# KiCad board scsi_switcher.kicad_pcb
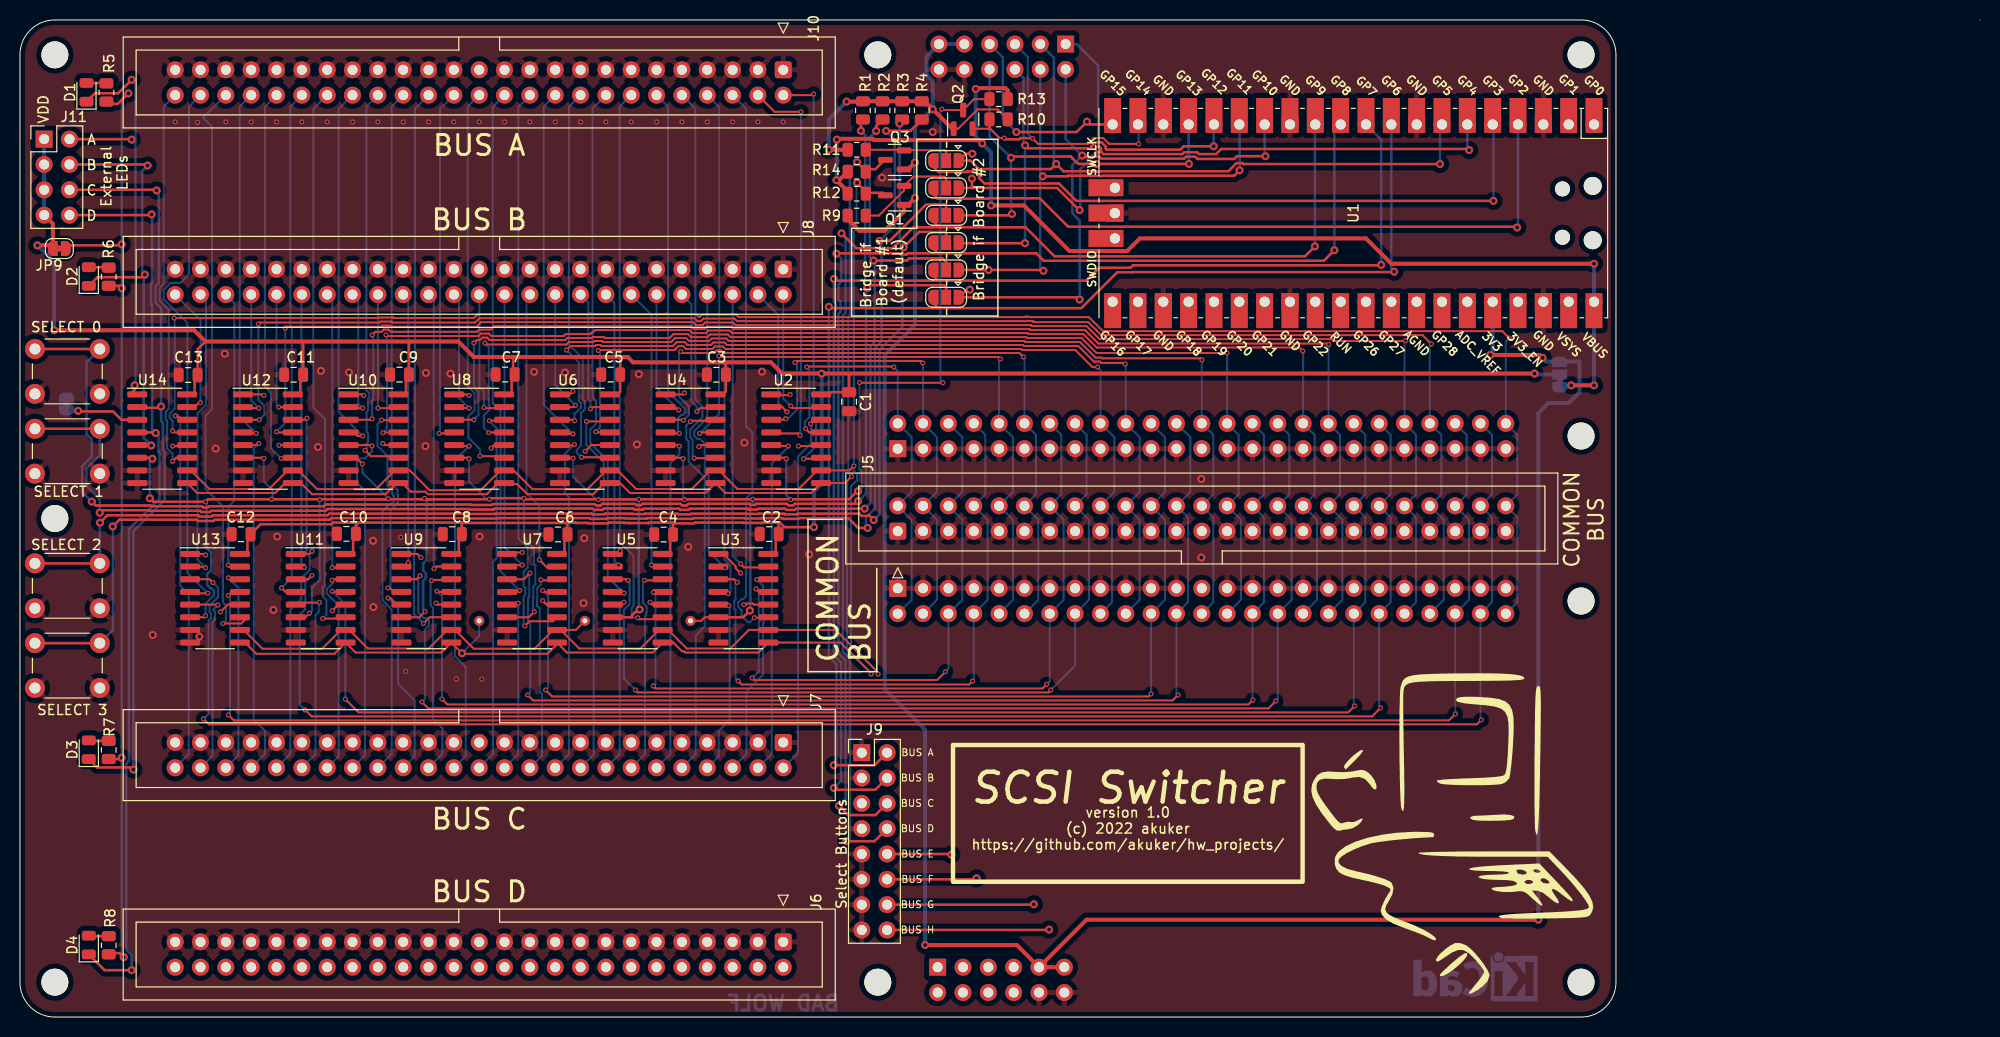
[diagram p0: board, top side]
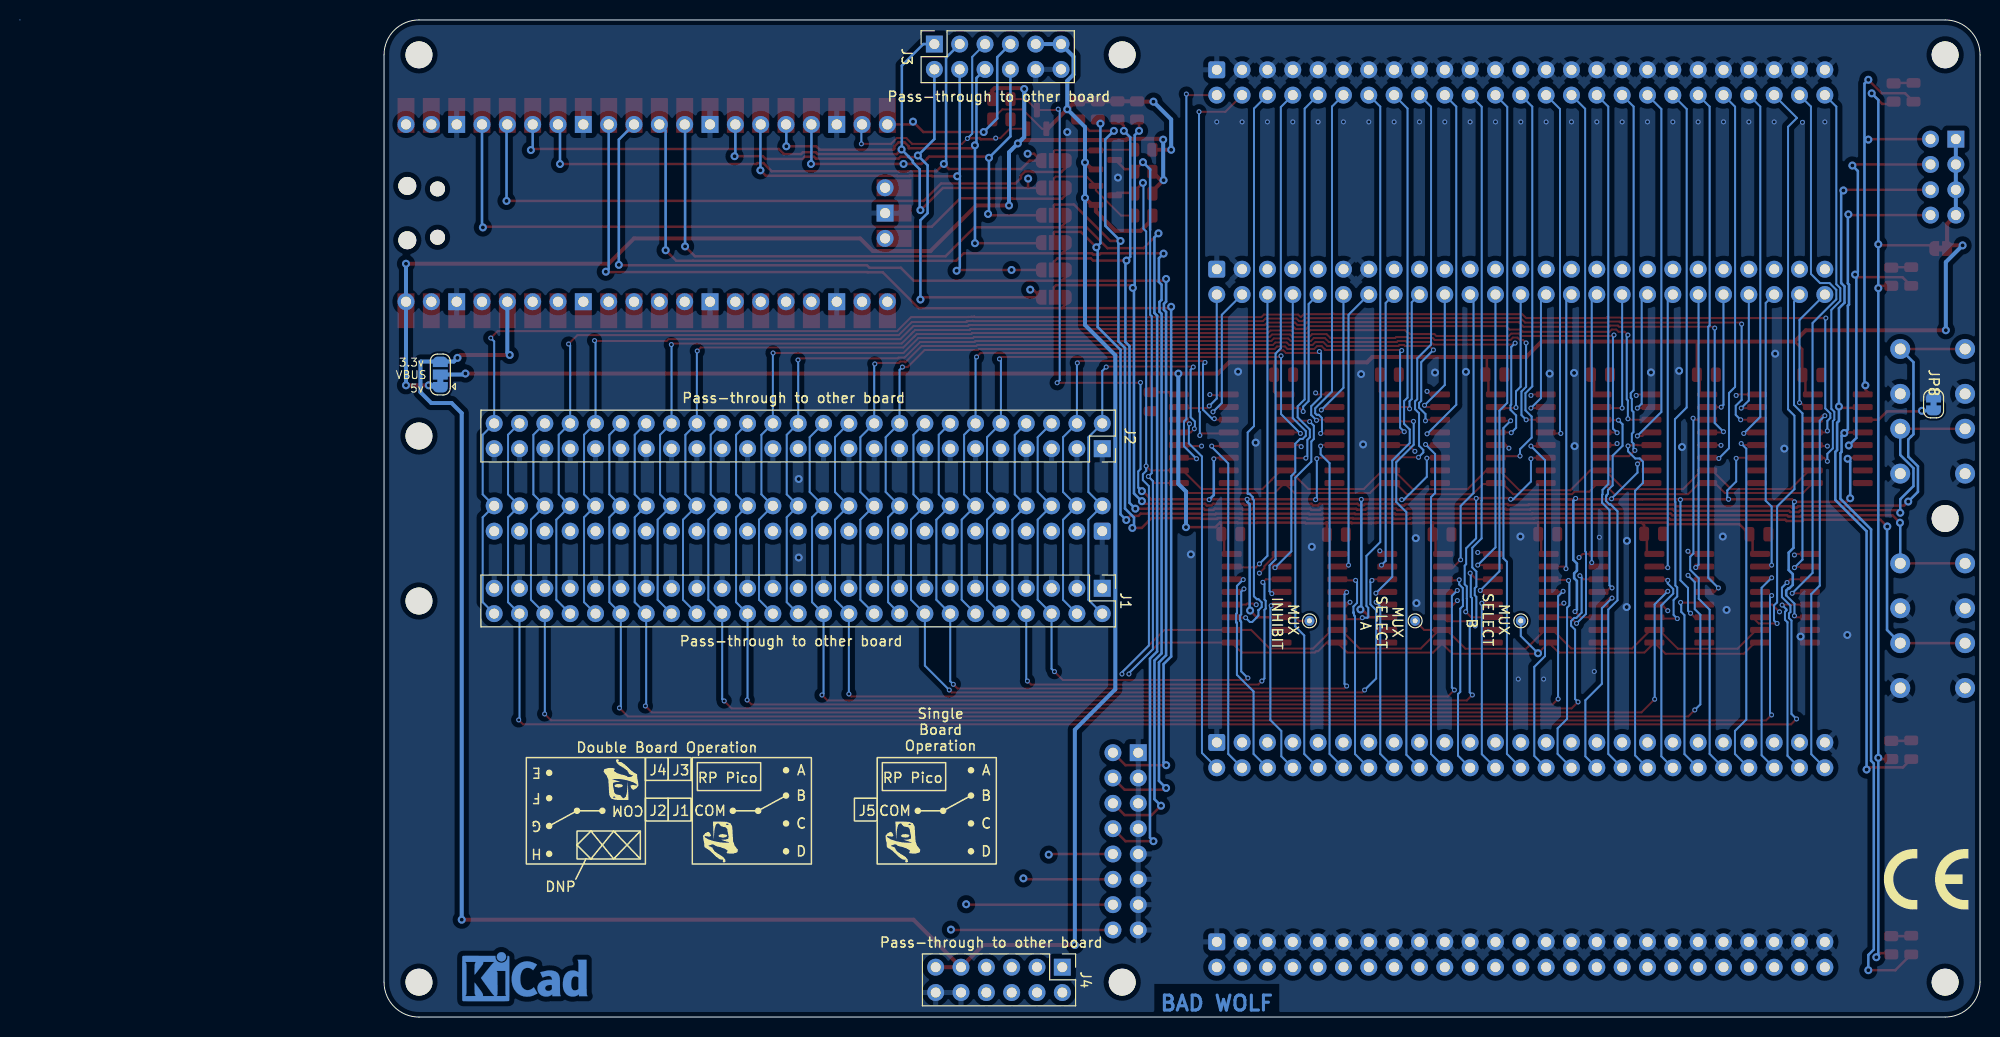
[diagram p1: board, bottom side, seen from below]

Outline 196.5 x 100 mm; copper layers: Top, In1.Cu, In2.Cu, Bottom. Coordinates in mm from the lower left corner of the outline.
Outline path: 0,96.5 arc(1.03,98.97) 3.5,100 156.5,100 arc(158.97,98.97) 160,96.5 160,3.5 arc(158.97,1.03) 156.5,0 3.5,0 arc(1.03,1.03) 0,3.5 0,96.5
Stack: Top 0.035mm / dielectric 1.51mm FR4 er 4.5 / In1.Cu 0.035mm / dielectric 1.51mm FR4 er 4.5 / In2.Cu 0.035mm / dielectric 1.51mm FR4 er 4.5 / Bottom 0.035mm

## Placement (name value [footprint] x y rotation side)
C1  100nF  [C_0805_2012Metric]  83.12 61.71 270 top
C2  100nF  [C_0805_2012Metric]  75.11 48.44 180 top
C3  100nF  [C_0805_2012Metric]  69.82 64.42 180 top
C4  100nF  [C_0805_2012Metric]  64.53 48.39 180 top
C5  100nF  [C_0805_2012Metric]  59.22 64.43 180 top
C6  100nF  [C_0805_2012Metric]  53.94 48.4 180 top
C7  100nF  [C_0805_2012Metric]  48.64 64.44 180 top
C8  100nF  [C_0805_2012Metric]  43.34 48.43 180 top
C9  100nF  [C_0805_2012Metric]  38.05 64.43 180 top
C10  100nF  [C_0805_2012Metric]  32.73 48.46 180 top
C11  100nF  [C_0805_2012Metric]  27.44 64.42 180 top
C12  100nF  [C_0805_2012Metric]  22.17 48.42 180 top
C13  100nF  [C_0805_2012Metric]  16.86 64.39 180 top
D1  Green  [LED_0805_2012Metric]  6.67 92.74 90 top
D2  Green  [LED_0805_2012Metric]  6.9 74.27 90 top
D3  Green  [LED_0805_2012Metric]  6.9 26.81 90 top
D4  Green  [LED_0805_2012Metric]  6.9 7.22 90 top
G***  LOGO  [macintosh_picasso]  143.58 18.4 0 top
G***#2  LOGO  [macintosh_picasso_tiny]  126.3 17.64 180 bottom
G***#3  LOGO  [macintosh_picasso_tiny]  136.21 23.73 0 bottom
G***#4  LOGO  [macintosh_picasso_tiny]  108.02 17.64 180 bottom
H1  MountingHole  [MountingHole_2.7mm_M2.5]  3.5 96.5 0 top
H2  MountingHole  [MountingHole_2.7mm_M2.5]  156.5 58.27 0 top
H3  CE Logo  [CE-Logo_8.5x6mm_SilkScreen]  5.4 13.83 180 bottom
H4  MountingHole  [MountingHole_2.7mm_M2.5]  86 96.5 0 top
H5  MountingHole  [MountingHole_2.7mm_M2.5]  3.5 3.5 0 top
H6  Kicad Logo  [KiCad-Logo_5mm_Copper]  145.89 3.53 180 bottom
H7  MountingHole  [MountingHole_2.7mm_M2.5]  156.5 96.5 0 top
H8  MountingHole  [MountingHole_2.7mm_M2.5]  86 3.5 0 top
H9  MountingHole  [MountingHole_2.7mm_M2.5]  3.5 50 0 top
H10  MountingHole  [MountingHole_2.7mm_M2.5]  156.5 3.5 0 top
H11  MountingHole  [MountingHole_2.7mm_M2.5]  156.5 41.72 0 top
J1  Conn_02x25_Counter_Clockwise  [PinHeader_2x25_P2.54mm_Vertical]  88 43 270 bottom
J2  Conn_02x25_Counter_Clockwise  [PinSocket_2x25_P2.54mm_Vertical]  88 57 270 bottom
J3  Conn_02x06_Odd_Even  [PinSocket_2x06_P2.54mm_Vertical]  104.83 97.58 90 bottom
J4  Conn_02x06_Odd_Even  [PinHeader_2x06_P2.54mm_Vertical]  92 5 270 bottom
J5  Conn_02x25_Counter_Clockwise  [IDC-Header_2x25_P2.54mm_Vertical]  88 48.73 90 top
J6  Conn_02x25_Counter_Clockwise  [IDC-Header_2x25_P2.54mm_Vertical]  76.52 7.54 270 top
J7  Conn_02x25_Counter_Clockwise  [IDC-Header_2x25_P2.54mm_Vertical]  76.52 27.54 270 top
J8  Conn_02x25_Counter_Clockwise  [IDC-Header_2x25_P2.54mm_Vertical]  76.52 75 270 top
J9  Conn_02x08_Odd_Even  [PinHeader_2x08_P2.54mm_Vertical]  84.39 26.51 0 top
J10  Conn_02x25_Counter_Clockwise  [IDC-Header_2x25_P2.54mm_Vertical]  76.52 95 270 top
J11  Conn_02x04_Odd_Even  [PinHeader_2x04_P2.54mm_Vertical]  2.43 88.05 0 top
JP1  SolderJumper_3_Open  [SolderJumper-3_P1.3mm_Bridged12_RoundedPad1.0x1.5mm]  154.36 64.44 90 bottom
JP2  SolderJumper_3_Open  [SolderJumper-3_P1.3mm_Open_RoundedPad1.0x1.5mm]  92.85 72.19 180 top
JP3  SolderJumper_3_Open  [SolderJumper-3_P1.3mm_Open_RoundedPad1.0x1.5mm]  92.85 74.93 180 top
JP4  SolderJumper_3_Open  [SolderJumper-3_P1.3mm_Open_RoundedPad1.0x1.5mm]  92.85 77.67 180 top
JP5  SolderJumper_3_Open  [SolderJumper-3_P1.3mm_Open_RoundedPad1.0x1.5mm]  92.85 80.41 180 top
JP6  SolderJumper_3_Open  [SolderJumper-3_P1.3mm_Open_RoundedPad1.0x1.5mm]  92.85 83.15 180 top
JP7  SolderJumper_3_Open  [SolderJumper-3_P1.3mm_Open_RoundedPad1.0x1.5mm]  92.85 85.89 180 top
JP8  SolderJumper_2_Bridged  [SolderJumper-2_P1.3mm_Bridged_RoundedPad1.0x1.5mm]  4.66 61.49 90 bottom
JP9  SolderJumper_2_Bridged  [SolderJumper-2_P1.3mm_Bridged_RoundedPad1.0x1.5mm]  3.95 77.07 180 top
Q1  BSS138  [SOT-23]  87.7 82.41 180 top
Q2  BSS138  [SOT-23]  94.55 90.03 90 top
Q3  BSS138  [SOT-23]  87.7 85.96 180 top
R1  10k  [R_0805_2012Metric]  84.51 90.93 270 top
R2  10k  [R_0805_2012Metric]  86.48 90.93 270 top
R3  10k  [R_0805_2012Metric]  88.44 90.93 270 top
R4  10k  [R_0805_2012Metric]  90.41 90.93 270 top
R5  10k  [R_0805_2012Metric]  8.67 92.72 90 top
R6  10k  [R_0805_2012Metric]  8.9 74.25 90 top
R7  10k  [R_0805_2012Metric]  8.9 26.79 90 top
R8  10k  [R_0805_2012Metric]  8.9 7.2 90 top
R9  10k  [R_0805_2012Metric]  83.89 80.38 0 top
R10  10k  [R_0805_2012Metric]  98.11 90.03 180 top
R11  10k  [R_0805_2012Metric]  83.89 86.98 0 top
R12  10k  [R_0805_2012Metric]  83.89 82.58 0 top
R13  10k  [R_0805_2012Metric]  98.11 92.06 180 top
R14  10k  [R_0805_2012Metric]  83.89 84.78 0 top
SW1  SELECT 0  [SW_PUSH_6mm]  1.5 67 0 top
SW2  SELECT 1  [SW_PUSH_6mm]  1.5 59 0 top
SW3  SELECT 2  [SW_PUSH_6mm]  1.5 45.5 0 top
SW4  SELECT 3  [SW_PUSH_6mm]  1.5 37.5 0 top
TP1  TestPoint_Small  [TestPoint_THTPad_D1.0mm_Drill0.5mm]  56.63 39.74 90 bottom
TP2  TestPoint_Small  [TestPoint_THTPad_D1.0mm_Drill0.5mm]  67.23 39.74 90 bottom
TP3  TestPoint_Small  [TestPoint_THTPad_D1.0mm_Drill0.5mm]  46.04 39.74 90 bottom
U1  Pico  [RPi_Pico_SMD_TH]  133.67 80.63 270 top
U2  CD4052B  [SOP-16_3.9x9.9mm_P1.27mm]  77.82 58 0 top
U3  CD4052B  [SOP-16_3.9x9.9mm_P1.27mm]  72.52 42 0 top
U4  CD4052B  [SOP-16_3.9x9.9mm_P1.27mm]  67.23 58 0 top
U5  CD4052B  [SOP-16_3.9x9.9mm_P1.27mm]  61.93 42 0 top
U6  CD4052B  [SOP-16_3.9x9.9mm_P1.27mm]  56.63 58 0 top
U7  CD4052B  [SOP-16_3.9x9.9mm_P1.27mm]  51.34 42 0 top
U8  CD4052B  [SOP-16_3.9x9.9mm_P1.27mm]  46.04 58 0 top
U9  CD4052B  [SOP-16_3.9x9.9mm_P1.27mm]  40.74 42 0 top
U10  CD4052B  [SOP-16_3.9x9.9mm_P1.27mm]  35.45 58 0 top
U11  CD4052B  [SOP-16_3.9x9.9mm_P1.27mm]  30.15 42 0 top
U12  CD4052B  [SOP-16_3.9x9.9mm_P1.27mm]  24.85 58 0 top
U13  CD4052B  [SOP-16_3.9x9.9mm_P1.27mm]  19.56 42 0 top
U14  CD4052B  [SOP-16_3.9x9.9mm_P1.27mm]  14.26 58 0 top

## Library data of the parts
C1-C13 = -: LCSC: C49678
D1-D4 = -: LCSC: C2297
R1-R14 = -: LCSC: C17414
U2-U14 = -: LCSC: C6521

## Footprints (pads in the part's own frame, mm; a bottom-side part is the same pattern mirrored in y, then rotated)
C_0805_2012Metric
  rrect 1x1.45 smd: 1(-0.95,0) 2(0.95,0)
IDC-Header_2x25_P2.54mm_Vertical
  rrect 1.7x1.7 hole 1: 1(0,0)
  round 1.7 hole 1: 2(2.54,0) 3(0,-2.54) 4(2.54,-2.54) 5(0,-5.08) 6(2.54,-5.08) 7(0,-7.62) 8(2.54,-7.62) 9(0,-10.16) 10(2.54,-10.16) 11(0,-12.7) 12(2.54,-12.7) 13(0,-15.24) 14(2.54,-15.24) 15(0,-17.78) 16(2.54,-17.78) 17(0,-20.32) 18(2.54,-20.32) 19(0,-22.86) 20(2.54,-22.86) 21(0,-25.4) 22(2.54,-25.4) 23(0,-27.94) 24(2.54,-27.94) 25(0,-30.48) 26(2.54,-30.48) 27(0,-33.02) 28(2.54,-33.02) 29(0,-35.56) 30(2.54,-35.56) 31(0,-38.1) 32(2.54,-38.1) 33(0,-40.64) 34(2.54,-40.64) 35(0,-43.18) 36(2.54,-43.18) 37(0,-45.72) 38(2.54,-45.72) 39(0,-48.26) 40(2.54,-48.26) 41(0,-50.8) 42(2.54,-50.8) 43(0,-53.34) 44(2.54,-53.34) 45(0,-55.88) 46(2.54,-55.88) 47(0,-58.42) 48(2.54,-58.42) 49(0,-60.96) 50(2.54,-60.96)
LED_0805_2012Metric
  rrect 0.975x1.4 smd: 1(-0.938,0) 2(0.938,0)
MountingHole_2.7mm_M2.5
  round 2.7 hole 2.7 unplated: (0,0)
PinHeader_2x04_P2.54mm_Vertical
  rect 1.7x1.7 hole 1: 1(0,0)
  oval 1.7x1.7 hole 1: 2(2.54,0) 3(0,-2.54) 4(2.54,-2.54) 5(0,-5.08) 6(2.54,-5.08) 7(0,-7.62) 8(2.54,-7.62)
PinHeader_2x06_P2.54mm_Vertical
  rect 1.7x1.7 hole 1: 1(0,0)
  oval 1.7x1.7 hole 1: 2(2.54,0) 3(0,-2.54) 4(2.54,-2.54) 5(0,-5.08) 6(2.54,-5.08) 7(0,-7.62) 8(2.54,-7.62) 9(0,-10.16) 10(2.54,-10.16) 11(0,-12.7) 12(2.54,-12.7)
PinHeader_2x08_P2.54mm_Vertical
  rect 1.7x1.7 hole 1: 1(0,0)
  oval 1.7x1.7 hole 1: 2(2.54,0) 3(0,-2.54) 4(2.54,-2.54) 5(0,-5.08) 6(2.54,-5.08) 7(0,-7.62) 8(2.54,-7.62) 9(0,-10.16) 10(2.54,-10.16) 11(0,-12.7) 12(2.54,-12.7) 13(0,-15.24) 14(2.54,-15.24) 15(0,-17.78) 16(2.54,-17.78)
PinHeader_2x25_P2.54mm_Vertical
  rect 1.7x1.7 hole 1: 1(0,0)
  oval 1.7x1.7 hole 1: 2(2.54,0) 3(0,-2.54) 4(2.54,-2.54) 5(0,-5.08) 6(2.54,-5.08) 7(0,-7.62) 8(2.54,-7.62) 9(0,-10.16) 10(2.54,-10.16) 11(0,-12.7) 12(2.54,-12.7) 13(0,-15.24) 14(2.54,-15.24) 15(0,-17.78) 16(2.54,-17.78) 17(0,-20.32) 18(2.54,-20.32) 19(0,-22.86) 20(2.54,-22.86) 21(0,-25.4) 22(2.54,-25.4) 23(0,-27.94) 24(2.54,-27.94) 25(0,-30.48) 26(2.54,-30.48) 27(0,-33.02) 28(2.54,-33.02) 29(0,-35.56) 30(2.54,-35.56) 31(0,-38.1) 32(2.54,-38.1) 33(0,-40.64) 34(2.54,-40.64) 35(0,-43.18) 36(2.54,-43.18) 37(0,-45.72) 38(2.54,-45.72) 39(0,-48.26) 40(2.54,-48.26) 41(0,-50.8) 42(2.54,-50.8) 43(0,-53.34) 44(2.54,-53.34) 45(0,-55.88) 46(2.54,-55.88) 47(0,-58.42) 48(2.54,-58.42) 49(0,-60.96) 50(2.54,-60.96)
PinSocket_2x06_P2.54mm_Vertical
  rect 1.7x1.7 hole 1: 1(0,0)
  oval 1.7x1.7 hole 1: 2(-2.54,0) 3(0,-2.54) 4(-2.54,-2.54) 5(0,-5.08) 6(-2.54,-5.08) 7(0,-7.62) 8(-2.54,-7.62) 9(0,-10.16) 10(-2.54,-10.16) 11(0,-12.7) 12(-2.54,-12.7)
PinSocket_2x25_P2.54mm_Vertical
  rect 1.7x1.7 hole 1: 1(0,0)
  oval 1.7x1.7 hole 1: 2(-2.54,0) 3(0,-2.54) 4(-2.54,-2.54) 5(0,-5.08) 6(-2.54,-5.08) 7(0,-7.62) 8(-2.54,-7.62) 9(0,-10.16) 10(-2.54,-10.16) 11(0,-12.7) 12(-2.54,-12.7) 13(0,-15.24) 14(-2.54,-15.24) 15(0,-17.78) 16(-2.54,-17.78) 17(0,-20.32) 18(-2.54,-20.32) 19(0,-22.86) 20(-2.54,-22.86) 21(0,-25.4) 22(-2.54,-25.4) 23(0,-27.94) 24(-2.54,-27.94) 25(0,-30.48) 26(-2.54,-30.48) 27(0,-33.02) 28(-2.54,-33.02) 29(0,-35.56) 30(-2.54,-35.56) 31(0,-38.1) 32(-2.54,-38.1) 33(0,-40.64) 34(-2.54,-40.64) 35(0,-43.18) 36(-2.54,-43.18) 37(0,-45.72) 38(-2.54,-45.72) 39(0,-48.26) 40(-2.54,-48.26) 41(0,-50.8) 42(-2.54,-50.8) 43(0,-53.34) 44(-2.54,-53.34) 45(0,-55.88) 46(-2.54,-55.88) 47(0,-58.42) 48(-2.54,-58.42) 49(0,-60.96) 50(-2.54,-60.96)
R_0805_2012Metric
  rrect 1.025x1.4 smd: 1(-0.912,0) 2(0.912,0)
RPi_Pico_SMD_TH
  oval 1.8x1.8 hole 1.8 unplated: (-2.725,24) (2.725,24)
  oval 1.5x1.5 hole 1.5 unplated: (-2.425,20.97) (2.425,20.97)
  oval 1.7x1.7 hole 1.02: 1(-8.89,24.13) 2(-8.89,21.59) 4(-8.89,16.51) 5(-8.89,13.97) 6(-8.89,11.43) 7(-8.89,8.89) 9(-8.89,3.81) 10(-8.89,1.27) 11(-8.89,-1.27) 12(-8.89,-3.81) 14(-8.89,-8.89) 15(-8.89,-11.43) 16(-8.89,-13.97) 17(-8.89,-16.51) 19(-8.89,-21.59) 20(-8.89,-24.13) 21(8.89,-24.13) 22(8.89,-21.59) 24(8.89,-16.51) 25(8.89,-13.97) 26(8.89,-11.43) 27(8.89,-8.89) 29(8.89,-3.81) 30(8.89,-1.27) 31(8.89,1.27) 32(8.89,3.81) 34(8.89,8.89) 35(8.89,11.43) 36(8.89,13.97) 37(8.89,16.51) 39(8.89,21.59) 40(8.89,24.13) 41(-2.54,-23.9) 43(2.54,-23.9)
  rect 3.5x1.7 smd: 1(-8.89,24.13) 2(-8.89,21.59) 3(-8.89,19.05) 4(-8.89,16.51) 5(-8.89,13.97) 6(-8.89,11.43) 7(-8.89,8.89) 8(-8.89,6.35) 9(-8.89,3.81) 10(-8.89,1.27) 11(-8.89,-1.27) 12(-8.89,-3.81) 13(-8.89,-6.35) 14(-8.89,-8.89) 15(-8.89,-11.43) 16(-8.89,-13.97) 17(-8.89,-16.51) 18(-8.89,-19.05) 19(-8.89,-21.59) 20(-8.89,-24.13) 21(8.89,-24.13) 22(8.89,-21.59) 23(8.89,-19.05) 24(8.89,-16.51) 25(8.89,-13.97) 26(8.89,-11.43) 27(8.89,-8.89) 28(8.89,-6.35) 29(8.89,-3.81) 30(8.89,-1.27) 31(8.89,1.27) 32(8.89,3.81) 33(8.89,6.35) 34(8.89,8.89) 35(8.89,11.43) 36(8.89,13.97) 37(8.89,16.51) 38(8.89,19.05) 39(8.89,21.59) 40(8.89,24.13)
  rect 1.7x1.7 hole 1.02: 3(-8.89,19.05) 8(-8.89,6.35) 13(-8.89,-6.35) 18(-8.89,-19.05) 23(8.89,-19.05) 28(8.89,-6.35) 33(8.89,6.35) 38(8.89,19.05) 42(0,-23.9)
  rect 1.7x3.5 smd: 41(-2.54,-23.9) 42(0,-23.9) 43(2.54,-23.9)
SolderJumper-2_P1.3mm_Bridged_RoundedPad1.0x1.5mm
  custom 1x1.5 smd: 1(-0.65,0) 2(0.65,0)
SolderJumper-3_P1.3mm_Bridged12_RoundedPad1.0x1.5mm
  custom 1.05x1.5 smd: 1(-1.3,0) 3(1.3,0)
  rect 1x1.5 smd: 2(0,0)
SolderJumper-3_P1.3mm_Open_RoundedPad1.0x1.5mm
  custom 1.05x1.5 smd: 1(-1.3,0) 3(1.3,0)
  rect 1x1.5 smd: 2(0,0)
SOP-16_3.9x9.9mm_P1.27mm
  rrect 2x0.6 smd: 1(-2.5,4.445) 2(-2.5,3.175) 3(-2.5,1.905) 4(-2.5,0.635) 5(-2.5,-0.635) 6(-2.5,-1.905) 7(-2.5,-3.175) 8(-2.5,-4.445) 9(2.5,-4.445) 10(2.5,-3.175) 11(2.5,-1.905) 12(2.5,-0.635) 13(2.5,0.635) 14(2.5,1.905) 15(2.5,3.175) 16(2.5,4.445)
SOT-23
  rrect 1.475x0.6 smd: 1(-0.938,0.95) 2(-0.938,-0.95) 3(0.938,0)
SW_PUSH_6mm
  round 2 hole 1.1: 1(0,0) 1(6.5,0) 2(0,-4.5) 2(6.5,-4.5)
TestPoint_THTPad_D1.0mm_Drill0.5mm
  round 1 hole 0.5: 1(0,0)

## Nets
+3V3: J3.9 J3.11 J4.9 J4.11 JP1.3 Q1.1 Q2.1 Q3.1 R1.1 R2.1 R3.1 R4.1 R9.1 R10.1 R11.1 U1.36
GND: C1.2 C2.2 C3.2 C4.2 C5.2 C6.2 C7.2 C8.2 C9.2 C10.2 C11.2 C12.2 C13.2 J1.1 J1.3 J1.5 J1.7 J1.9 J1.11 J1.13 J1.15 J1.17 J1.19 J1.21 J1.23 J1.27 J1.29 J1.31 J1.33 J1.35 J1.37 J1.39 J1.41 J1.43 J1.45 J1.47 J1.49 J2.1 J2.3 J2.5 J2.7 J2.9 J2.11 J2.13 J2.15 J2.17 J2.19 J2.21 J2.23 J2.27 J2.29 J2.31 J2.33 J2.35 J2.37 J2.39 J2.41 J2.43 J2.45 J2.47 J2.49 J3.10 J3.12 J4.10 J4.12 J5.1 J5.3 J5.5 J5.7 J5.9 J5.11 J5.13 J5.15 J5.17 J5.19 J5.21 J5.23 J5.27 J5.29 J5.31 J5.33 J5.35 J5.37 J5.39 J5.41 J5.43 J5.45 J5.47 J5.49 J6.1 J6.3 J6.5 J6.7 J6.9 J6.11 J6.13 J6.15 J6.17 J6.19 J6.21 J6.23 J6.27 J6.29 J6.31 J6.33 J6.35 J6.37 J6.39 J6.41 J6.43 J6.45 J6.47 J6.49 J7.1 J7.3 J7.5 J7.7 J7.9 J7.11 J7.13 J7.15 J7.17 J7.19 J7.21 J7.23 J7.27 J7.29 J7.31 J7.33 J7.35 J7.37 J7.39 J7.41 J7.43 J7.45 J7.47 J7.49 J8.1 J8.3 J8.5 J8.7 J8.9 J8.11 J8.13 J8.15 J8.17 J8.19 J8.21 J8.23 J8.27 J8.29 J8.31 J8.33 J8.35 J8.37 J8.39 J8.41 J8.43 J8.45 J8.47 J8.49 J9.1 J9.3 J9.5 J9.7 J9.9 J9.11 J9.13 J9.15 J10.1 J10.3 J10.5 J10.7 J10.9 J10.11 J10.13 J10.15 J10.17 J10.19 J10.21 J10.23 J10.27 J10.29 J10.31 J10.33 J10.35 J10.37 J10.39 J10.41 J10.43 J10.45 J10.47 J10.49 JP8.2 SW1.2 SW2.2 SW3.2 SW4.2 U1.3 U1.8 U1.13 U1.18 U1.23 U1.28 U1.38 U1.42 U2.7 U2.8 U3.7 U3.8 U4.7 U4.8 U5.7 U5.8 U6.7 U6.8 U7.7 U7.8 U8.7 U8.8 U9.7 U9.8 U10.7 U10.8 U11.7 U11.8 U12.7 U12.8 U13.7 U13.8 U14.7 U14.8
VBUS: JP1.1 R12.1 R13.1 R14.1 U1.40
VDD: C1.1 C2.1 C3.1 C4.1 C5.1 C6.1 C7.1 C8.1 C9.1 C10.1 C11.1 C12.1 C13.1 J11.1 J11.3 J11.5 J11.7 JP1.2 JP9.2 U2.16 U3.16 U4.16 U5.16 U6.16 U7.16 U8.16 U9.16 U10.16 U11.16 U12.16 U13.16 U14.16
BUTTON_SELECT_0: JP2.2 R1.2 SW1.1
BUTTON_SELECT_1: JP3.2 R2.2 SW2.1
BUTTON_SELECT_2: JP4.2 R3.2 SW3.1
BUTTON_SELECT_3: JP5.2 R4.2 SW4.1
GPIO_BUTTON_SELECT_0: J9.2 JP2.3 U1.9
GPIO_BUTTON_SELECT_1: J9.4 JP3.3 U1.10
GPIO_BUTTON_SELECT_2: J9.6 JP4.3 U1.11
GPIO_BUTTON_SELECT_3: J9.8 JP5.3 U1.12
GPIO_BUTTON_SELECT_4: J3.2 J4.2 J9.10 JP2.1 U1.14
GPIO_BUTTON_SELECT_5: J3.4 J4.4 J9.12 JP3.1 U1.15
GPIO_BUTTON_SELECT_6: J3.6 J4.6 J9.14 JP4.1 U1.16
GPIO_BUTTON_SELECT_7: J3.8 J4.8 J9.16 JP5.1 U1.17
GPIO_MUX_SELECT_A: JP6.3 U1.4
GPIO_MUX_SELECT_B: JP7.3 U1.5
GPIO_MUX_SELECT_C: J3.1 J4.1 JP6.1 U1.6
GPIO_MUX_SELECT_D: J3.3 J4.3 JP7.1 U1.7
J1_Pin2: J1.2 J2.2 J5.2 U2.13
J1_Pin4: J1.4 J2.4 J5.4 U2.3
J1_Pin6: J1.6 J2.6 J5.6 U3.13
J1_Pin8: J1.8 J2.8 J5.8 U3.3
J1_Pin10: J1.10 J2.10 J5.10 U4.13
J1_Pin12: J1.12 J2.12 J5.12 U4.3
J1_Pin14: J1.14 J2.14 J5.14 U5.13
J1_Pin16: J1.16 J2.16 J5.16 U5.3
J1_Pin18: J1.18 J2.18 J5.18 U6.13
J1_Pin20: J1.20 J2.20 J5.20 U6.3
J1_Pin22: J1.22 J2.22 J5.22 U7.13
J1_Pin24: J1.24 J2.24 J5.24 U7.3
J1_Pin26: J1.26 J2.26 J5.26 U8.13
J1_Pin28: J1.28 J2.28 J5.28 U8.3
J1_Pin30: J1.30 J2.30 J5.30 U9.13
J1_Pin32: J1.32 J2.32 J5.32 U9.3
J1_Pin34: J1.34 J2.34 J5.34 U10.13
J1_Pin36: J1.36 J2.36 J5.36 U10.3
J1_Pin38: J1.38 J2.38 J5.38 U11.13
J1_Pin40: J1.40 J2.40 J5.40 U11.3
J1_Pin42: J1.42 J2.42 J5.42 U12.13
J1_Pin44: J1.44 J2.44 J5.44 U12.3
J1_Pin46: J1.46 J2.46 J5.46 U13.13
J1_Pin48: J1.48 J2.48 J5.48 U13.3
J1_Pin50: J1.50 J2.50 J5.50 U14.13
J2_Pin2: J6.2 U2.12
J2_Pin4: J6.4 U2.1
J2_Pin6: J6.6 U3.12
J2_Pin8: J6.8 U3.1
J2_Pin10: J6.10 U4.12
J2_Pin12: J6.12 U4.1
J2_Pin14: J6.14 U5.12
J2_Pin16: J6.16 U5.1
J2_Pin18: J6.18 U6.12
J2_Pin20: J6.20 U6.1
J2_Pin22: J6.22 U7.12
J2_Pin24: J6.24 U7.1
J2_Pin26: J6.26 U8.12
J2_Pin28: J6.28 U8.1
J2_Pin30: J6.30 U9.12
J2_Pin32: J6.32 U9.1
J2_Pin34: J6.34 U10.12
J2_Pin36: J6.36 U10.1
J2_Pin38: J6.38 U11.12
J2_Pin40: J6.40 U11.1
J2_Pin42: J6.42 U12.12
J2_Pin44: J6.44 U12.1
J2_Pin46: J6.46 U13.12
J2_Pin48: J6.48 U13.1
J2_Pin50: J6.50 U14.12
J3_Pin2: J7.2 U2.14
J3_Pin4: J7.4 U2.5
J3_Pin6: J7.6 U3.14
J3_Pin8: J7.8 U3.5
J3_Pin10: J7.10 U4.14
J3_Pin12: J7.12 U4.5
J3_Pin14: J7.14 U5.14
J3_Pin16: J7.16 U5.5
J3_Pin18: J7.18 U6.14
J3_Pin20: J7.20 U6.5
J3_Pin22: J7.22 U7.14
J3_Pin24: J7.24 U7.5
J3_Pin26: J7.26 U8.14
J3_Pin28: J7.28 U8.5
J3_Pin30: J7.30 U9.14
J3_Pin32: J7.32 U9.5
J3_Pin34: J7.34 U10.14
J3_Pin36: J7.36 U10.5
J3_Pin38: J7.38 U11.14
J3_Pin40: J7.40 U11.5
J3_Pin42: J7.42 U12.14
J3_Pin44: J7.44 U12.5
J3_Pin46: J7.46 U13.14
J3_Pin48: J7.48 U13.5
J3_Pin50: J7.50 U14.14
J4_Pin2: J8.2 U2.15
J4_Pin4: J8.4 U2.2
J4_Pin6: J8.6 U3.15
J4_Pin8: J8.8 U3.2
J4_Pin10: J8.10 U4.15
J4_Pin12: J8.12 U4.2
J4_Pin14: J8.14 U5.15
J4_Pin16: J8.16 U5.2
J4_Pin18: J8.18 U6.15
J4_Pin20: J8.20 U6.2
J4_Pin22: J8.22 U7.15
J4_Pin24: J8.24 U7.2
J4_Pin26: J8.26 U8.15
J4_Pin28: J8.28 U8.2
J4_Pin30: J8.30 U9.15
J4_Pin32: J8.32 U9.2
J4_Pin34: J8.34 U10.15
J4_Pin36: J8.36 U10.2
J4_Pin38: J8.38 U11.15
J4_Pin40: J8.40 U11.2
J4_Pin42: J8.42 U12.15
J4_Pin44: J8.44 U12.2
J4_Pin46: J8.46 U13.15
J4_Pin48: J8.48 U13.2
J4_Pin50: J8.50 U14.15
J5_Pin2: J10.2 U2.11
J5_Pin4: J10.4 U2.4
J5_Pin6: J10.6 U3.11
J5_Pin8: J10.8 U3.4
J5_Pin10: J10.10 U4.11
J5_Pin12: J10.12 U4.4
J5_Pin14: J10.14 U5.11
J5_Pin16: J10.16 U5.4
J5_Pin18: J10.18 U6.11
J5_Pin20: J10.20 U6.4
J5_Pin22: J10.22 U7.11
J5_Pin24: J10.24 U7.4
J5_Pin26: J10.26 U8.11
J5_Pin28: J10.28 U8.4
J5_Pin30: J10.30 U9.11
J5_Pin32: J10.32 U9.4
J5_Pin34: J10.34 U10.11
J5_Pin36: J10.36 U10.4
J5_Pin38: J10.38 U11.11
J5_Pin40: J10.40 U11.4
J5_Pin42: J10.42 U12.11
J5_Pin44: J10.44 U12.4
J5_Pin46: J10.46 U13.11
J5_Pin48: J10.48 U13.4
J5_Pin50: J10.50 U14.11
MUX_INHIBIT: J3.5 J4.5 Q2.2 R10.2 U1.19
MUX_INHIBIT_5V: Q2.3 R13.2 TP2.1 U2.6 U3.6 U4.6 U5.6 U6.6 U7.6 U8.6 U9.6 U10.6 U11.6 U12.6 U13.6 U14.6
MUX_SELECT_A: JP6.2 Q1.2 R9.2
MUX_SELECT_A_5V: Q1.3 R12.2 TP1.1 U2.10 U3.10 U4.10 U5.10 U6.10 U7.10 U8.10 U9.10 U10.10 U11.10 U12.10 U13.10 U14.10
MUX_SELECT_B: JP7.2 Q3.2 R11.2
MUX_SELECT_B_5V: Q3.3 R14.2 TP3.1 U2.9 U3.9 U4.9 U5.9 U6.9 U7.9 U8.9 U9.9 U10.9 U11.9 U12.9 U13.9 U14.9
SEL_LED_0: D1.1 J11.2 U14.1
SEL_LED_1: D2.1 J11.4 U14.5
SEL_LED_2: D3.1 J11.6 U14.2
SEL_LED_3: D4.1 J11.8 U14.4
SPARE: J3.7 J4.7 U1.20
Net-(D1-Pad2): D1.2 R5.2
Net-(D2-Pad2): D2.2 R6.2
Net-(D3-Pad2): D3.2 R7.2
Net-(D4-Pad2): D4.2 R8.2
Net-(JP8-Pad1): JP8.1 U14.3
Net-(JP9-Pad1): JP9.1 R5.1 R6.1 R7.1 R8.1

Pads without a net: J1 25; J2 25; J5 25; J6 25; J7 25; J8 25; J10 25; U1 1 2 21 22 24 25 26 27 29 30 31 32 33 34 35 37 39 41 43

## Via types
v1: diameter 0.5, hole 0.3, Top to Bottom, 238 vias
v2: diameter 0.8, hole 0.4, Top to Bottom, 135 vias

## Routing (per net, layer and track width the routed paths; a pad name or vN(x,y) marks a point on that pad's centre or on a via; arc(x,y) is an arc through that point)
+3V3: length 273
  Top w0.2: Q2.1 94.05,89.09 95.99,91.03 98.02,91.03 R10.1
  Top w0.4: v2(152.64,66.11) 152.35,66.4 v2(147.4,66.4) ; v2(152.21,9.76) 106.92,9.76 J4.9 ; J4.9 99.94,7.22 v2(90.74,7.22) ; J4.9 J4.11 ; 89.03,81.46 v2(89.73,82.15) ; Q1.1 88.63,80.81 86.68,78.85 84.14,78.85 82.97,80.02 ; R11.1 v2(81.09,86.98) ; v2(82.87,91.81) 84.47,91.81 ; 90.71,91.84 v2(91.51,91.04) 93.46,89.09 Q2.1 ; R4.1 R1.1 ; 89.03,85.01 v2(89.73,85.71)
  Bottom w0.4: v2(147.4,66.4) 147.64,66.64 U1.36 ; J3.9 J3.11 90.88,96.33 90.88,94.52 91.51,93.9 v2(91.51,91.04) 89.73,89.27 v2(89.73,85.71) v2(89.73,82.15) 89.73,69.41 86.69,66.37 86.69,32.87 90.74,28.81 v2(90.74,7.22) ; v2(82.87,91.81) 81.09,90.03 v2(81.09,86.98) ; v2(152.21,9.76) 152.21,60.56 153.23,61.58 155.26,61.58 156.35,62.67 156.35,65.7 156.31,65.74 JP1.3 153.01,65.74 v2(152.64,66.11)
GND:
  vias: v1(15.56,89.77) v1(17.8,89.73) v1(20.64,89.77) v1(23.18,89.77) v1(25.72,89.77) v1(28.26,89.77) v1(30.8,89.77) v1(33.34,89.77) v1(35.88,89.77) v1(38.17,48.12) v1(38.42,89.77) v1(38.67,34.66) v1(40.96,89.77) v1(43.5,89.77) v1(43.75,33.89) v1(46.04,89.77) v1(46.29,33.89) v1(48.58,89.77) v1(51.12,89.77) v1(53.66,89.77) v1(56.2,89.77) v1(58.74,89.77) v1(61.28,89.77) v1(63.82,89.77) v1(66.36,89.77) v1(68.9,89.77) v1(71.44,89.77) v1(73.98,89.77) v1(76.52,89.77) v2(13.31,38.32) v2(17.99,38.16) v2(19.62,57.01) v2(20.54,66.53) v2(25.41,40.83) v2(25.79,48.19) v2(29.88,57.17) v2(30.17,64.81) v2(32.99,64.65) v2(35.4,47.76) v2(35.43,41.12) v2(40.65,57.26) v2(40.7,64.6) v2(43.15,64.53) v2(46.08,48.19) v2(51.54,64.71) v2(54.64,64.64) v2(56.5,41.51) v2(56.57,48.03) v2(61.85,57.43) v2(62.05,64.48) v2(66.99,47.16) v2(72.62,57.61) v2(74.39,64.73) v2(79.12,46.4) v2(86.43,84.19) v2(91.51,88.76) v2(118.43,53.96) v2(118.43,46.09)
VBUS: length 118.7
  Top w0.4: v2(95.82,93.08) 95.91,93.16 98.79,93.16 99.02,92.93 R13.1 ; v2(157.8,63.36) v2(155.51,63.36) ; v2(96.46,87.62) 96.12,87.95 85.62,87.95 85.5,88.08 81.98,88.08 v2(81.89,88) ; R14.1 82.13,83.93 v2(81.85,83.93) 82.97,82.81 ; v2(97.35,81.39) 100.65,81.39 105.22,76.82 111,76.82 112.27,78.09 134.94,78.09 137.48,75.55 v2(157.8,75.55)
  Bottom w0.25: JP1.1 155.18,63.14
  Bottom w0.4: v2(95.82,93.08) 95.82,88.25 97.35,86.73 v2(97.35,81.39) ; v2(157.8,75.55) U1.40 157.8,63.3 v2(157.8,63.36) ; v2(81.85,83.93) 81.89,83.97 v2(81.89,88) ; v2(155.51,63.36) 154.58,63.36
VDD: length 294.6
  Top w0.25: 65.18,46.44 65.18,48.09 ; 81.07,62.45 81.28,62.66 C1.1 83.12,64.44 ; 76.19,49.59 74.49,49.59 74.45,49.56 72.49,49.56 72.45,49.59 67.67,49.59 67.6,49.51 65.63,49.51 65.56,49.59 65.44,49.59 ; 76.19,49.59 76.06,49.46 C2.1 ; 76.19,49.59 76.65,49.13 v2(79.61,49.13) ; 22.81,46.44 22.81,48.11 ; 38.7,62.45 38.7,64.13 ; 28.26,67.75 28.39,67.62 C11.1 ; 65.44,49.59 65.48,49.55 C4.1 ; 65.44,49.59 63.06,49.59 63.01,49.54 61.24,49.54 61.05,49.54 61.04,49.56 60.55,49.56 60.52,49.59 59.04,49.59 58.96,49.51 57,49.51 56.95,49.56 55.73,49.56 55.69,49.59 54.85,49.59 ; C10.1 33.68,49.32 33.95,49.59 ; 49.29,62.45 49.29,64.14 ; 75.77,46.44 75.77,48.15 ; 54.85,49.59 54.82,49.56 44.31,49.56 44.28,49.59 ; 54.85,49.59 54.85,48.44 ; 33.95,49.59 44.28,49.59 ; 33.95,49.59 31.39,49.59 31.22,49.43 24.13,49.43 C12.1 ; 44.28,49.59 44.29,49.58 C8.1 ; 59.88,62.45 60.17,62.73 C5.1 60.17,66.13 60.21,66.17 60.09,66.17 ; 18.59,67.75 17.82,66.98 17.82,64.4 ; 39.18,67.75 39,67.57 C9.1 ; 70.48,62.45 70.77,62.74 C3.1 70.77,65.55 70.66,65.66 ; 49.44,64.59 49.44,66.2 ; 17.51,62.45 17.51,64.09 ; 33.4,46.44 33.4,48.18 ; 54.59,46.44 54.59,48.1 ; 28.1,62.45 28.1,64.13 ; 43.99,46.44 43.99,48.13